# KiCad board ardumower mega shield svn.kicad_pcb (continued)
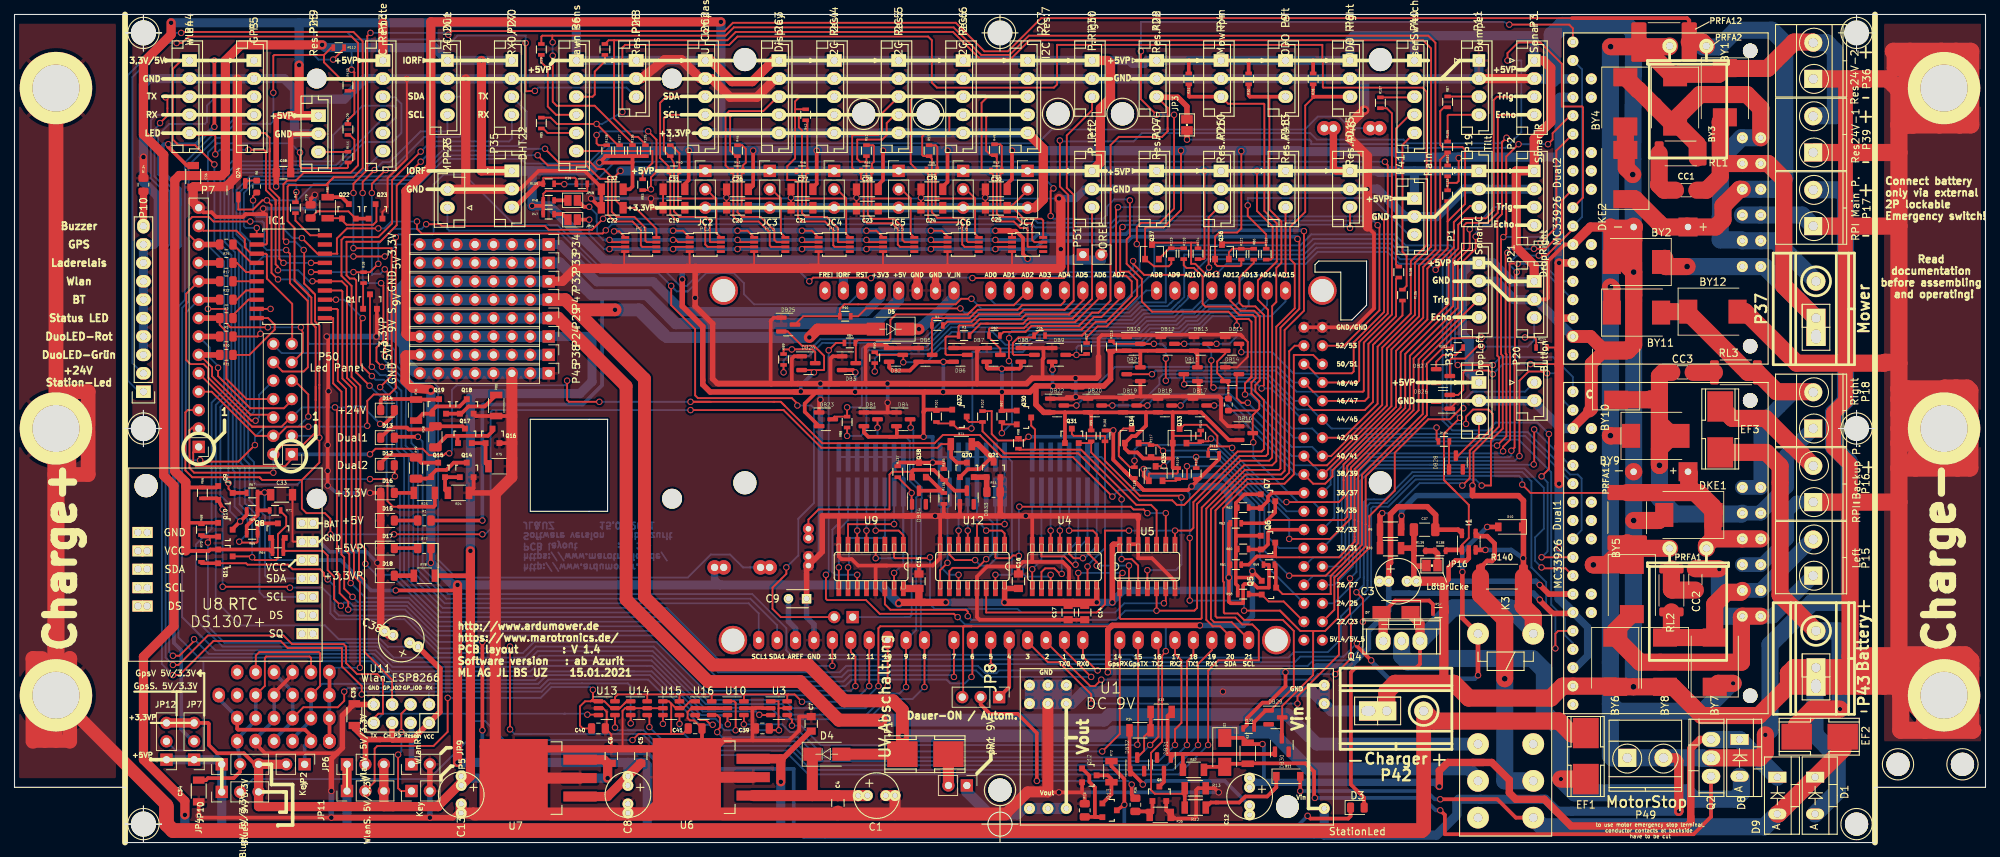
[diagram p0: board, top side]
## Footprints (pads in the part's own frame, mm; a bottom-side part is the same pattern mirrored in y, then rotated) (continued)
SolderJumper-2_P1.3mm_Open_Pad1.0x1.5mm
  rect 1x1.5 smd: 1(-0.65,0) 2(0.65,0)
SOT-23
  rect 0.8x0.8 smd: 1(-0.95,-1.001) 2(0.95,-1.001) 3(0,0.998)
SOT-23#2
  rect 0.9x0.8 smd: 1(-1,0.95) 2(-1,-0.95) 3(1,0)
SOT-23#3
  rrect 1.475x0.6 smd: 1(-0.938,0.95) 2(-0.938,-0.95) 3(0.938,0)
SOT-23-5
  rrect 1.325x0.6 smd: 1(-1.137,0.95) 2(-1.137,0) 3(-1.137,-0.95) 4(1.137,-0.95) 5(1.137,0.95)
SOT-23-6
  rrect 1.325x0.6 smd: 1(-1.137,0.95) 2(-1.137,0) 3(-1.137,-0.95) 4(1.137,-0.95) 5(1.137,0) 6(1.137,0.95)
SW_DIP_x8_SMD
  rect 0.66x4 smd: 1(-4.445,-2.413) 2(-3.175,-2.413) 3(-1.905,-2.413) 4(-0.635,-2.413) 5(0.635,-2.413) 6(1.905,-2.413) 7(3.175,-2.413) 8(4.445,-2.413) 9(4.445,2.413) 10(3.175,2.413) 11(1.905,2.413) 12(0.635,2.413) 13(-0.635,2.413) 14(-1.905,2.413) 15(-3.175,2.413) 16(-4.445,2.413)
TerminalBlock_Pheonix_MKDS1.5-2pol
  rect 2.5x2.5 hole 1.3: 1(0,0)
  round 2.5 hole 1.3: 2(5,0)
Tiny_RTC_DS1307_geändert_mit_Bohrloch_4Lochreihen
  rect 1.524x1.524 hole 1: 1(-12.7,-3.81) 1(-11.2,-3.81) 2(-12.7,-1.27) 2(-11.2,-1.27) 3(-12.7,1.27) 3(-11.2,1.27) 4(-12.7,3.81) 4(-11.2,3.81) 5(-12.7,6.35) 5(-11.2,6.35) 6(-12.7,8.89) 6(-11.2,8.89) 7(-12.7,11.43) 7(-11.2,11.43) 8(10.16,-2.54) 8(11.43,-2.54) 9(10.16,0) 9(11.43,0) 10(10.16,2.54) 10(11.43,2.54) 11(10.16,5.08) 11(11.43,5.08) 12(10.16,7.62) 12(11.43,7.62)
  round 3.2 hole 3.2: ~(10.3,-9)
TO-220
  oval 2.032x2.54 hole 1.143: 1(-2.54,0) 2(0,0) 3(2.54,0)
TO-263-3Lead
  rect 4.6x1.39 smd: 1(0,2.54) 2(0,0) 3(0,-2.54)
  rect 9.4x10.8 smd: 4(9.15,0)
TSSOP-8_3x3mm_P0.65mm
  rect 1.1x0.4 smd: 1(-2.15,0.975) 2(-2.15,0.325) 3(-2.15,-0.325) 4(-2.15,-0.975) 5(2.15,-0.975) 6(2.15,-0.325) 7(2.15,0.325) 8(2.15,0.975)
Wlan_ESP8266_3D_mit_Pin_Beschreibung_ohne_Rahmen
  oval 1.727x1.727 hole 1.016: CH_P(-1.27,-1.27) GND(-3.81,1.27) GP_0(1.27,1.27) GP_2(-1.27,1.27) Rese(1.27,-1.27) RX(3.81,1.27) TX(-3.81,-1.27)
  round 1.727 hole 1.016: VCC(3.81,-1.27)

## Nets
9Vgeschaltet: K3.3 P29.1 P29.2 P29.3 P29.4 P29.5 P29.6 P29.7 P29.8
+3.3VP: C6.1 C13.1 I2C2.5 I2C3.5 I2C4.5 I2C5.5 I2C6.5 I2C7.5 JC2.3 JC3.3 JC4.3 JC5.3 JC6.3 JC7.3 JP2.2 JP4.3 JP6.3 JP7.3 JP10.3 JP11.3 JP12.3 P24.1 P24.2 P24.3 P24.4 P24.5 P24.6 P24.7 P24.8 R78.1 U7.3
+3V3: P34.1 P34.2 P34.3 P34.4 P34.5 P34.6 P34.7 P34.8 R23.1 SHIELD1.3V3
+5V: P33.1 P33.2 P33.3 P33.4 P33.5 P33.6 P33.7 P33.8 R1.1 SHIELD1.5V
+5VP: C5.1 C7.1 C8.1 C14.1 C15.1 C16.1 C17.1 C18.1 C22.1 C33.1 I2C2.1 I2C3.1 I2C4.1 I2C5.1 I2C6.1 I2C7.1 IC1.11 JC2.1 JC3.1 JC4.1 JC5.1 JC6.1 JC7.1 JP4.1 JP6.1 JP7.1 JP10.1 JP11.1 JP12.1 P1.1 P2.1 P3.1 P4.1 P6.1 P8.1 P9.1 P12.1 P13.1 P14.1 P19.1 P21.1 P22.1 P25.1 P26.1 P28.1 P30.1 P31.1 P38.1 P38.2 P38.3 P38.4 P38.5 P38.6 P38.7 P38.8 P40.1 P41.1 P46.1 P48.1 PC1.8 R28.2 R30.2 R31.1 R43.1 R59.1 R61.1 R63.1 R65.1 R67.1 R69.1 R71.1 R77.1 R98.1 R100.1 R102.1 R116.1 R118.1 R120.1 R122.1 R124.1 SP1.2 SP2.2 U4.16 U5.14 U6.3 U7.1 U8.3 U9.16 U12.16
+9V: D4.2 D5.2 F1.2 K3.5 P47.1 P47.2 P47.3 P47.4 P47.5 P47.6 P47.7 P47.8
+24V: BY1.1 BY3.1 BY5.1 BY7.1 BY9.1 BY11.1 D14.2 P7.5 P17.2 P36.2 P39.2 P49.1 P49.2 P50.5 PRFA1.2 PRFA2.2 PRFA11.2 PRFA12.2 Q2.2 U1.3
/Anschlußstecker/5V_IN: P3.3 Q33.3 R116.2
/Anschlußstecker/5V_IN_1: P13.6 Q11.3 R71.2
/Anschlußstecker/5V_IN_2: P13.3 Q8.3 R65.2
/Anschlußstecker/5V_IN_3: P13.5 Q10.3 R69.2
/Anschlußstecker/5V_IN_4: P13.4 Q9.3 R67.2
/Anschlußstecker/5V_IN_5: P2.3 Q34.3 R118.2
/Anschlußstecker/5V_IN_6: P2.4 Q6.3 R61.2
/Anschlußstecker/5V_IN_7: P1.4 Q5.3 R59.2
/Anschlußstecker/5V_IN_8: P1.3 Q35.3 R120.2
/Anschlußstecker/5V_IN_9: P19.3 Q37.3 R124.2
/Anschlußstecker/5V_IN_10: P41.3 Q36.3 R122.2
/Anschlußstecker/5V_IN_11: P3.4 Q7.3 R63.2
GND: B12.1 B13.1 B14.1 BY2.2 BY4.2 BY6.2 BY8.2 BY10.2 BY12.2 C1.2 C2.2 C3.2 C4.2 C5.2 C6.2 C7.2 C8.2 C9.1 C10.2 C11.2 C13.2 C14.2 C15.2 C16.2 C17.2 C18.2 C19.2 C20.2 C21.2 C22.2 C23.2 C24.2 C25.2 C26.2 C27.2 C28.2 C29.2 C30.2 C31.2 C32.2 C33.2 C34.2 C35.2 C36.2 C37.2 C38.2 C39.2 C40.2 C41.2 D1.2 D15.1 D16.1 D17.1 D18.1 DB1.1 DB2.1 DB3.1 DB4.1 DB5.1 DB6.1 DB7.1 DB8.1 DB9.1 DB10.1 DB11.1 DB12.1 DB13.1 DB14.1 DB15.1 DB16.1 DB17.1 DB18.1 DB19.1 DB20.1 DB21.1 DB22.1 DB23.1 DB24.1 DB25.1 DB26.1 DB33.1 DKE1.2 DKE2.2 Dual1.2 Dual1.7 Dual1.16 Dual1.21 Dual2.2 Dual2.7 Dual2.16 Dual2.21 I1.2 I2C1.2 I2C2.2 I2C3.2 I2C4.2 I2C5.2 I2C6.2 I2C7.2 IC1.12 JP5.2 JP9.2 JP16.2 P1.2 P2.2 P3.2 P4.2 P5.2 P6.2 P7.14 P8.2 P9.2 P10.3 P10.4 P10.5 P10.6 P10.7 P10.8 P10.9 P11.1 P11.2 P12.2 P13.2 P14.2 P16.1 P17.1 P19.2 P20.2 P21.2 P22.2 P23.2 P25.2 P26.2 P27.2 P28.2 P30.2 P31.2 P32.1 P32.2 P32.3 P32.4 P32.5 P32.6 P32.7 P32.8 P35.2 P36.1 P39.1 P40.2 P41.2 P42.1 P43.1 P44.2 P45.1 P45.2 P45.3 P45.4 P45.5 P45.6 P45.7 P45.8 P46.2 P48.2 P50.14 PC1.4 PC2.4 PC3.4 PC4.4 PC5.4 PC6.4 PC7.4 Q1.2 Q3.2 Q12.2 Q14.2 Q16.2 Q18.2 Q21.2 Q23.2 Q24.2 R10.2 R11.2 R13.2 R24.2 R35.2 R57.2 R73.2 R75.2 R79.2 R80.2 R134.2 R136.2 R139.2 SHIELD1.GND1 SHIELD1.GND2 SHIELD1.GND3 SHIELD1.GND4 SHIELD1.GND5 U1.1 U1.4 U2.GND U3.2 U4.8 U4.13 U5.7 U5.12 U5.13 U6.2 U6.4 U7.2 U7.4 U8.2 U9.8 U9.13 U10.2 U10.5 U11.GND U12.8 U12.13 U13.2 U14.2 U14.5 U15.2 U16.2 U16.5
/Anschlußstecker/Ausgang1: Q32.3 R102.2 U5.3
/Anschlußstecker/Ausgang2: Q31.3 R100.2 U5.4
/Anschlußstecker/Ausgang3: Q30.3 R98.2 U5.10
/Anschlußstecker/Eingang1: P8.3 R28.1 U4.14 U5.1
/Anschlußstecker/Eingang2: P9.3 R30.1 U5.5 U9.14
/Anschlußstecker/Eingang3: P4.3 R31.2 U5.8 U12.14
/Batterieeingang 24V: C12.1 D2.1 D8.1 D9.1 Q2.3 R37.1
/Eingang: D8.2 EF1.2 Q4.2
/Motortreiber/D1_M1_IN1: BY5.2 BY6.1 CC2.1 Dual1.19 P15.1
/Motortreiber/D1_M1_IN1_1: BY9.2 BY10.1 CC3.1 Dual1.23 P18.1
/Motortreiber/D1_M1_IN2: BY7.2 BY8.1 Dual1.20 P15.2 RL2.2
/Motortreiber/D1_M1_IN2_1: BY11.2 BY12.1 Dual1.24 P18.2 RL3.2
/Motortreiber/D2_M2_IN1: BY1.2 BY2.1 CC1.1 Dual2.19 Dual2.23 P37.1
/Motortreiber/D2_M2_IN2: BY3.2 BY4.1 Dual2.20 Dual2.24 P37.2 RL1.2
/Vout-: I1.4 K3.12 R140.2
Charg_Pin_+: B9.1 B10.1 B11.1 EF1.1 P42.2
DHT22: P35.3 R39.2 R109.1
DropLeft: DB28.3 P31.3
DropRight: DB27.3 P21.3
Dual1: C10.1 D13.2 DKE1.1 Dual1.22 PRFA1.1 PRFA11.1
Dual2: C11.1 D12.2 DKE2.1 Dual2.22 PRFA2.1 PRFA12.1
DuoLED-Rot: IC1.2 SHIELD1.7
DuoLED_Grün: IC1.1 SHIELD1.6
GPS-LED: IC1.7 P5.5
GPS_RX: SHIELD1.15 U3.4
GPS_TX: SHIELD1.14 U10.4
IOREF: C3.1 C26.1 C27.1 C28.1 C29.1 C30.1 C31.1 C32.1 C37.1 DB1.2 DB2.2 DB3.2 DB4.2 DB5.2 DB6.2 DB7.2 DB8.2 DB9.2 DB10.2 DB11.2 DB12.2 DB13.2 DB14.2 DB15.2 DB16.2 DB17.2 DB18.2 DB19.2 DB20.2 DB21.2 DB22.2 DB23.2 DB24.2 DB25.2 DB26.2 Dual1.3 Dual1.6 Dual1.15 Dual2.3 Dual2.6 Dual2.15 I1.5 I2C1.1 JP8.3 P27.1 P35.1 P51.1 P51.2 PC1.1 PC2.1 PC3.1 PC4.1 PC5.1 PC6.1 PC7.1 Q5.1 Q6.1 Q7.1 Q8.1 Q9.1 Q10.1 Q11.1 Q30.1 Q31.1 Q32.1 Q33.1 Q34.1 Q35.1 Q36.1 Q37.1 Q38.3 R7.2 R39.1 R47.1 R48.1 R58.1 R60.1 R62.1 R64.1 R66.1 R68.1 R70.1 R97.1 R99.1 R101.1 R113.2 R114.2 R115.1 R117.1 R119.1 R121.1 R123.1 R125.2 R126.2 R127.2 R128.2 R129.2 R130.2 R131.2 R132.2 R133.2 R135.1 R137.2 SHIELD1.IORE U3.6 U10.6 U13.6 U14.6 U15.6 U16.6
Led-BT: IC1.4 U2.LED
Led-Status: IC1.3 SHIELD1.13
Led-Wlan: IC1.5 P44.5 U11.GP_2
no_connect_302: DB27.2
no_connect_303: DB28.2
no_connect_304: DB29.2
no_connect_305: DB30.2
no_connect_306: DB31.2
no_connect_307: DB32.2
no_connect_308: DB33.2
no_connect_309: DB34.2
no_connect_310: Dual1.1
no_connect_311: Dual1.11
no_connect_312: Dual1.12
no_connect_313: Dual2.1
no_connect_314: Dual2.11
no_connect_315: Dual2.12
no_connect_316: IC1.9
no_connect_317: K3.14
no_connect_318: PC1.5
no_connect_319: PC2.5
no_connect_320: PC3.5
no_connect_321: PC4.5
no_connect_322: PC5.5
no_connect_323: PC6.5
no_connect_324: PC7.5
no_connect_325: SHIELD1.5V_4
no_connect_326: SHIELD1.5V_5
no_connect_327: SHIELD1.FREI
no_connect_328: U12.12
no_connect_329: U12.3
no_connect_330: U4.12
no_connect_331: U4.3
no_connect_332: U8.1
no_connect_333: U9.12
no_connect_334: U9.3
pinBatteryVoltage: R12.2 R13.1 R84.1
pinBumperLeft: P11.4 R105.1
pinBumperRight: P11.3 R87.1
pinButton: DB29.1 R133.1 SHIELD1.51
pinBuzzer: IC1.8 R6.1 SHIELD1.53
pinChargeCurrent: I1.1 R90.1 R138.1
pinChargeVoltage: R9.2 R10.1 R89.1
pinChargingEnable: IC1.6 R18.1 SHIELD1.50
pinLawnBackRecv: P6.6 R83.1
pinLawnBackSend: P6.5 R85.1
pinLawnFrontRecv: P6.4 R29.1
pinLawnFrontSend: P6.3 R54.1
pinMotorEnable: Dual1.10 SHIELD1.37
pinMotorLeftDir: Dual1.4 SHIELD1.31
pinMotorLeftFault: Dual1.8 SHIELD1.25
pinMotorLeftPWM: Dual1.5 SHIELD1.5
pinMotorLeftSense: Dual1.9 SHIELD1.AD1
pinMotorMowDir: Dual2.4 Dual2.13 SHIELD1.29
pinMotorMowEnable: Dual2.10 SHIELD1.28
pinMotorMowFault: Dual2.8 Dual2.17 SHIELD1.26
pinMotorMowPWM: Dual2.5 Dual2.14 SHIELD1.2
pinMotorMowRpm_neu: Q30.2 R97.2 SHIELD1.AD11
pinMotorMowSense: Dual2.18 SHIELD1.AD3
pinMotorRightDir: Dual1.13 SHIELD1.33
pinMotorRightFault: Dual1.17 SHIELD1.27
pinMotorRightPWM: Dual1.14 SHIELD1.3
pinMotorRightSense: Dual1.18 SHIELD1.AD0
pinOdometryLeft: Q31.2 R99.2 SHIELD1.AD12
pinOdometryRight: Q32.2 R101.2 SHIELD1.AD14
pinPerimeterLeft: P12.3 R3.1
pinPerimeterRight: P30.3 R4.1
pinRain: Q36.2 R86.1 R121.2
pinRemoteMow: Q8.2 R64.2 SHIELD1.12
pinRemoteSpeed: Q10.2 R68.2 SHIELD1.10
pinRemoteSteer: Q9.2 R66.2 SHIELD1.11
pinRemoteSwitch: Q11.2 R70.2 SHIELD1.52
pinSonarCenterEcho: Q5.2 R58.2 SHIELD1.22
pinSonarCenterTrigger: Q35.2 R119.2 SHIELD1.24
pinSonarLeftEcho: Q7.2 R62.2 SHIELD1.36
pinSonarLeftTrigger: Q33.2 R115.2 SHIELD1.34
pinSonarRightEcho: Q6.2 R60.2 SHIELD1.32
pinSonarRightTrigger: Q34.2 R117.2 SHIELD1.30
pinTilt: Q37.2 R110.1 R123.2
pinUserSwitch1: P40.5 R106.1
pinUserSwitch2: P40.4 R108.1
pinUserSwitch3: P40.3 R107.1
RelaisAbschaltung: JP8.1 SHIELD1.4
ReserveAD6: JP3.1 P22.3 R82.1
ReserveAD7: P14.3 R26.1
ReserveAD10: P26.3 R88.1
ReservePin8: P28.3 R112.1
ReservePin9: P25.3 R111.1
Reset: JP13.2 P23.1 SHIELD1.RST
Resv.PinAD13: P48.3 R50.1
Resv.PinAD15: P46.3 R27.1
RX0: P27.3 SHIELD1.0
RX1: SHIELD1.19 U13.4
RX2: SHIELD1.17 U15.4
SCL: JP15.1 PC1.2 PC2.2 PC3.2 PC4.2 PC5.2 PC6.2 PC7.2 SHIELD1.21
SCL1: PC1.7 U8.5
SCL2: I2C2.4 PC2.7 R44.2
SCL3: I2C3.4 PC3.7 R45.2
SCL4: I2C4.4 PC4.7 R46.2
SCL5: I2C5.4 PC5.7 R51.2
SCL6: I2C6.4 PC6.7 R52.2
SCL7: I2C7.4 PC7.7 R49.2
SCL22: I2C1.4 SHIELD1.SCL1
SDA: JP14.1 PC1.3 PC2.3 PC3.3 PC4.3 PC5.3 PC6.3 PC7.3 SHIELD1.20
SDA1: PC1.6 U8.4
SDA2: I2C2.3 PC2.6 R40.2
SDA3: I2C3.3 PC3.6 R41.2
SDA4: I2C4.3 PC4.6 R42.2
SDA5: I2C5.3 PC5.6 R55.2
SDA6: I2C6.3 PC6.6 R56.2
SDA7: I2C7.3 PC7.6 R53.2
SDA22: I2C1.3 SHIELD1.SDA1
StationLed: D3.2 D7.1 D10.1 I1.3 K3.8 P7.4 P50.4 Q4.3 R9.1 R140.1
Taster: DB29.3 DB30.3 P7.1 P20.1 P50.1
TX0: P27.4 SHIELD1.1
TX1: SHIELD1.18 U14.4
TX2: SHIELD1.16 U16.4
Net-(B1-Pad1): B1.1
Net-(B2-Pad1): B2.1
Net-(B3-Pad1): B3.1
Net-(B4-Pad1): B4.1
Net-(B5-Pad1): B5.1
Net-(B6-Pad1): B6.1
Net-(B7-Pad1): B7.1
Net-(B8-Pad1): B8.1
Net-(B17-Pad1): B17.1
Net-(B18-Pad1): B18.1
Net-(B19-Pad1): B19.1
Net-(B20-Pad1): B20.1
Net-(B21-Pad1): B21.1
Net-(B22-Pad1): B22.1
Net-(C1-Pad1): C1.1 C4.1 D4.1 U6.1
Net-(C2-Pad1): C2.1 DB33.3 Q38.1 R135.2
Net-(C9-Pad2): C9.2 SHIELD1.AREF
Net-(C12-Pad2): C12.2 DB32.1 R34.1
Net-(C19-Pad1): C19.1 JC2.2 PC2.8 R40.1 R44.1
Net-(C20-Pad1): C20.1 JC3.2 PC3.8 R41.1 R45.1
Net-(C21-Pad1): C21.1 JC4.2 PC4.8 R42.1 R46.1
Net-(C23-Pad1): C23.1 JC5.2 PC5.8 R51.1 R55.1
Net-(C24-Pad1): C24.1 JC6.2 PC6.8 R52.1 R56.1
Net-(C25-Pad1): C25.1 JC7.2 PC7.8 R49.1 R53.1
Net-(C34-Pad1): C34.1 JP4.2 U2.VCC
Net-(C35-Pad1): C35.1 C38.1 JP6.2 P44.1 U11.CH_P U11.VCC
Net-(C36-Pad1): C36.1 JP7.2 P5.1
Net-(C39-Pad1): C39.1 JP12.2 U3.1 U3.5 U10.1
Net-(C40-Pad1): C40.1 JP11.2 U13.1 U13.5 U14.1
Net-(C41-Pad1): C41.1 JP10.2 U15.1 U15.5 U16.1
Net-(CC1-Pad2): CC1.2 RL1.1
Net-(CC2-Pad2): CC2.2 RL2.1
Net-(CC3-Pad2): CC3.2 RL3.1
Net-(D1-Pad1): D1.1 D9.2 D11.2 EF2.1 K3.16
Net-(D2-Pad2): D2.2 Q2.1 R32.2 R37.2
Net-(D3-Pad1): D3.1 Q13.3 R72.1
Net-(D5-Pad1): D5.1 SHIELD1.V_IN
Net-(D7-Pad2): D7.2 Q4.1 R57.1
Net-(D10-Pad2): D10.2 K3.9 Q1.3
Net-(D11-Pad1): D11.1 R12.1
Net-(D12-Pad1): D12.1 Q15.3 R19.1
Net-(D13-Pad1): D13.1 Q17.3 R38.1
Net-(D14-Pad1): D14.1 Q19.3 R76.1
Net-(D15-Pad2): D15.2 R1.2
Net-(D16-Pad2): D16.2 R23.2
Net-(D17-Pad2): D17.2 R77.2
Net-(D18-Pad2): D18.2 R78.2
Net-(DB1-Pad3): DB1.3 R111.2 R129.1 SHIELD1.9
Net-(DB2-Pad3): DB2.3 R50.2 SHIELD1.AD13
Net-(DB3-Pad3): DB3.3 R84.2 SHIELD1.AD2
Net-(DB4-Pad3): DB4.3 R112.2 R130.1 SHIELD1.8
Net-(DB5-Pad3): DB5.3 R4.2 SHIELD1.AD4
Net-(DB6-Pad3): DB6.3 R3.2 SHIELD1.AD5
Net-(DB7-Pad3): DB7.3 R82.2 SHIELD1.AD6
Net-(DB8-Pad3): DB8.3 R26.2 SHIELD1.AD7
Net-(DB9-Pad3): DB9.3 R27.2 SHIELD1.AD15
Net-(DB10-Pad3): DB10.3 R104.2 R113.1 SHIELD1.45
Net-(DB11-Pad3): DB11.3 R86.2 SHIELD1.44
Net-(DB12-Pad3): DB12.3 R85.2 R127.1 SHIELD1.43
Net-(DB13-Pad3): DB13.3 R83.2 R128.1 SHIELD1.42
Net-(DB14-Pad3): DB14.3 R54.2 R125.1 SHIELD1.41
Net-(DB15-Pad3): DB15.3 R109.2 SHIELD1.49
Net-(DB16-Pad3): DB16.3 R7.1 R110.2 SHIELD1.35
Net-(DB17-Pad3): DB17.3 R87.2 R132.1 SHIELD1.38
Net-(DB18-Pad3): DB18.3 R105.2 R131.1 SHIELD1.39
Net-(DB19-Pad3): DB19.3 R29.2 R126.1 SHIELD1.40
Net-(DB20-Pad3): DB20.3 R106.2 SHIELD1.46
Net-(DB21-Pad3): DB21.3 R108.2 SHIELD1.47
Net-(DB22-Pad3): DB22.3 R107.2 SHIELD1.48
Net-(DB23-Pad3): DB23.3 R88.2 SHIELD1.AD10
Net-(DB24-Pad3): DB24.3 R89.2 SHIELD1.AD9
Net-(DB25-Pad3): DB25.3 R90.2 SHIELD1.AD8
Net-(DB26-Pad3): DB26.3 R103.2 R114.1 SHIELD1.23
Net-(DB27-Pad1): DB27.1 R103.1
Net-(DB28-Pad1): DB28.1 R104.1
Net-(DB30-Pad1): DB30.1 DB31.1 R32.1 R33.2
Net-(DB31-Pad3): DB31.3 Q3.3
Net-(DB32-Pad3): DB32.3 R33.1 R34.2
Net-(DB34-Pad1): DB34.1 JP13.1 R137.1
Net-(DB34-Pad3): DB34.3 Q38.2 R136.1
Net-(Dual2-Pad9): Dual2.9 JP3.2
Net-(EF2-Pad2): EF2.2 EF3.1 P43.2
Net-(EF3-Pad2): EF3.2 P16.2
Net-(F1-Pad1): F1.1 JP1.2
Net-(IC1-Pad10): IC1.10 R43.2
Net-(IC1-Pad13): IC1.13 P7.13 P50.13
Net-(IC1-Pad14): IC1.14 R25.1
Net-(IC1-Pad15): IC1.15 R17.1
Net-(IC1-Pad16): IC1.16 R22.1
Net-(IC1-Pad17): IC1.17 R2.1
Net-(IC1-Pad18): IC1.18 R5.1
Net-(IC1-Pad19): IC1.19 R20.1
Net-(IC1-Pad20): IC1.20 R21.1
Net-(JP1-Pad1): JP1.1 U1.2
Net-(JP2-Pad1): JP2.1 U2.Key
Net-(JP5-Pad1): JP5.1 U11.GP_0
Net-(JP8-Pad2): JP8.2 R36.2
Net-(JP9-Pad1): JP9.1 U11.Rese
Net-(JP14-Pad2): JP14.2 R47.2
Net-(JP15-Pad2): JP15.2 R48.2
Net-(JP16-Pad1): JP16.1 R138.2 R139.1
Net-(K3-Pad1): K3.1
Net-(P5-Pad3): P5.3 U3.3
Net-(P5-Pad4): P5.4 U10.3
Net-(P10-Pad1): P7.2 P10.1 P50.2 Q22.3 R81.1
Net-(P10-Pad2): P7.3 P10.2 P50.3 Q20.3 R74.1
Net-(P10-Pad10): P10.10 R134.1
Net-(P44-Pad3): P44.3 U11.TX U13.3
Net-(P44-Pad4): P44.4 U11.RX U14.3
Net-(P50-Pad6): P7.6 P50.6 R21.2
Net-(P50-Pad7): P7.7 P50.7 R20.2
Net-(P50-Pad8): P7.8 P50.8 R5.2
Net-(P50-Pad9): P7.9 P50.9 R2.2
Net-(P50-Pad10): P7.10 P50.10 R22.2
Net-(P50-Pad11): P7.11 P50.11 R17.2
Net-(P50-Pad12): P7.12 P50.12 R25.2
Net-(Q1-Pad1): Q1.1 R18.2
Net-(Q3-Pad1): Q3.1 R35.1 R36.1
Net-(Q12-Pad1): Q12.1 Q13.2 R73.1
Net-(Q12-Pad3): Q12.3 Q13.1 R72.2
Net-(Q14-Pad1): Q14.1 Q15.2 R24.1
Net-(Q14-Pad3): Q14.3 Q15.1 R19.2
Net-(Q16-Pad1): Q16.1 Q17.2 R75.1
Net-(Q16-Pad3): Q16.3 Q17.1 R38.2
Net-(Q18-Pad1): Q18.1 Q19.2 R80.1
Net-(Q18-Pad3): Q18.3 Q19.1 R76.2
Net-(Q20-Pad1): Q20.1 Q21.3 R74.2
Net-(Q20-Pad2): Q20.2 Q21.1 R11.1
Net-(Q22-Pad1): Q22.1 Q23.3 R81.2
Net-(Q22-Pad2): Q22.2 Q23.1 R79.1
Net-(Q24-Pad1): Q24.1 R6.2
Net-(Q24-Pad3): Q24.3 SP1.1 SP2.1
Net-(S1-Pad1): S1.1 S1.9 S1.10 S1.11 S1.12 S1.13 S1.14 S1.15 S1.16 U4.4 U4.15
Net-(S1-Pad2): S1.2 U4.7
Net-(S1-Pad3): S1.3 U4.10
Net-(S1-Pad4): S1.4 U4.1
Net-(S1-Pad5): S1.5 U4.5
Net-(S1-Pad6): S1.6 U4.6
Net-(S1-Pad7): S1.7 U4.9
Net-(S1-Pad8): S1.8 U4.11
Net-(S2-Pad1): S2.1 S2.9 S2.10 S2.11 S2.12 S2.13 S2.14 S2.15 S2.16 U9.4 U9.15
Net-(S2-Pad2): S2.2 U9.7
Net-(S2-Pad3): S2.3 U9.10
Net-(S2-Pad4): S2.4 U9.1
Net-(S2-Pad5): S2.5 U9.5
Net-(S2-Pad6): S2.6 U9.6
Net-(S2-Pad7): S2.7 U9.9
Net-(S2-Pad8): S2.8 U9.11
Net-(S3-Pad1): S3.1 S3.9 S3.10 S3.11 S3.12 S3.13 S3.14 S3.15 S3.16 U12.4 U12.15
Net-(S3-Pad2): S3.2 U12.7
Net-(S3-Pad3): S3.3 U12.10
Net-(S3-Pad4): S3.4 U12.1
Net-(S3-Pad5): S3.5 U12.5
Net-(S3-Pad6): S3.6 U12.6
Net-(S3-Pad7): S3.7 U12.9
Net-(S3-Pad8): S3.8 U12.11
Net-(U4-Pad2): U4.2 U5.2
Net-(U5-Pad6): U5.6 U9.2
Net-(U5-Pad11): U5.11
Net-(U8-Pad6): U8.6
Net-(U8-Pad7): U8.7
Net-(U12-Pad2): U5.9 U12.2
Net-(U15-Pad3): U2.TXD U15.3
Net-(U16-Pad3): U2.RXD U16.3

Pads without a net: Dual1 25 26 27 28 29 30 31 ~; Dual2 25 26 27 28 29 30 31 ~; U1 ~; U2 BRK EN; U8 8 9 10 11 12 ~

## Via types
v1: diameter 0.889, hole 0.635, Top to Bottom, 495 vias
v2: diameter 1.3, hole 0.6, Top to Bottom, 6 vias
v3: diameter 1.6, hole 0.8, Top to Bottom, 11 vias

## Routing (per net, layer and track width the routed paths; a pad name or vN(x,y) marks a point on that pad's centre or on a via; arc(x,y) is an arc through that point)
9Vgeschaltet: length 188.2
  Top w1.778: v1(119.51,16.89) 113.66,16.89 108.33,22.23 95.66,22.23 84.33,33.55 84.33,62.99 74.93,72.39 P29.1
  Bottom w1.524: P29.8 P29.7 P29.6 P29.5 P29.4 P29.3 P29.2 P29.1
  Bottom w1.778: v1(119.51,16.89) 150.24,16.89 151,17.65 175.51,17.65 179.58,13.59 K3.3
+3.3VP: length 402.1
  Top w0.508: JP7.3 26.67,16.51 26.8,16.38 26.8,13.46 27.94,12.32 31.62,12.32 33.15,10.79 JP4.3 33.66,10.92 ; 81.8,10.94 81.79,10.92 C6.1 81.8,10.94
  Top w0.635: R78.1 62.74,36.83 62.86,36.96
  Top w1.27: P24.8 54.36,69.85 53.97,70.23 53.97,89.92 57.4,93.34 57.4,113.28 v1(97.41,113.28) ; v1(81.79,8.89) 81.79,10.92 81.28,11.43 U7.3 ; 52.2,4.95 58.42,4.95 58.42,5.08 61.21,7.87 C13.1 ; 52.2,4.95 50.93,4.95 50.93,10.79 ; 52.2,4.95 33.66,4.95 JP10.3 JP4.3 JP2.2 ; v1(62.86,40.26) 62.86,9.14 C13.1 ; C13.1 C13.1 ; I2C7.5 141.86,95.79 141.86,88.77 140.72,87.63 JC7.3 ; JP7.3 JP12.3
  Bottom w1.27: 97.54,97.95 I2C2.5 ; 97.54,97.95 97.41,98.08 v1(97.41,113.28) ; 97.54,97.95 I2C3.5 I2C4.5 I2C5.5 I2C6.5 I2C7.5 ; P24.1 79.63,69.85 79.63,63.63 77.98,61.98 63.37,61.98 62.86,61.47 v1(62.86,40.26) ; C13.1 62.61,8.89 v1(81.79,8.89) ; JC7.3 JC6.3 JC5.3 JC4.3 JC3.3 JC2.3
  Bottom w1.524: P24.8 P24.7 P24.6 P24.5 P24.4 P24.3 P24.2 P24.1
+3V3: length 155.4
  Top w0.254: v1(46.74,80.9) v1(51.05,80.9) ; v1(49.02,50.17) 51.31,50.17 51.44,50.04 51.44,47.12 52.2,46.36 52.96,46.36
  Top w0.508: R23.1 57.97,46.53 57.78,46.36 52.96,46.36
  Bottom w0.254: 55.37,82.04 P34.8 52.7,82.55 v1(51.05,80.9) ; v1(49.02,50.17) 39.75,50.17 38.99,49.4 33.4,49.4 33.02,49.78 33.02,52.51 32.23,53.31 32.23,58.64 33.02,59.44 33.02,79.63 34.29,80.9 v1(46.74,80.9) ; SHIELD1.3V3 119.38,76.07
  Bottom w1.27: 92.2,73.28 88.07,77.41 80.33,77.41 75.18,82.55 P34.1 ; 92.2,73.28 117.48,73.28 119.38,75.18 SHIELD1.3V3 ; 92.2,73.28 91.95,73.53
  Bottom w1.524: P34.8 P34.7 P34.6 P34.5 P34.4 P34.3 P34.2 P34.1
+5V: length 126.6
  Top w0.508: v1(64.52,44.45) R1.1
  Bottom w0.508: 81.03,75.63 81.03,63.12 78.36,60.45 64.64,60.45 64.52,60.33 v1(64.52,44.45)
  Bottom w1.524: 91.19,71.63 90.23,72.58 ; 91.19,71.63 87.19,75.63 79.57,75.63 75.18,80.01 P33.1 P33.2 P33.3 P33.4 P33.5 P33.6 P33.7 P33.8 ; 91.19,71.63 118.62,71.63 121.92,74.93 SHIELD1.5V
+5VP: length 1195.2
  Top w0.254: 145.92,33.15 145.53,32.75 C17.1 ; 144.65,33.15 145.05,32.75 C17.1 ; 36.08,92.22 35.94,92.08 C18.1 ; 83.9,87.6 C22.1 ; C22.1 85.6,87.63 88.51,84.72 88.51,83.53 ; C22.1 82.87,88.69 82.87,92.01 v1(83.57,92.71) ; v1(171.32,92.71) 171.32,87.19 173.48,85.03 173.48,80.71 173.24,80.47 R122.1 ; v1(164.08,92.71) 164.08,80.64 163.97,80.53 R124.1 163.27,80.53 ; v1(34.48,48.32) 34.67,48.26 ; 38.73,89.66 v1(38.86,89.79) 38.86,88.51 R43.1 ; 138.43,55.5 135.64,55.5 134.75,56.39 134.75,59.54 134.74,59.55 R102.1 ; 138.43,55.5 139.19,55.5 v1(139.83,56.01) ; 138.43,55.5 R98.1 ; C17.1 145.29,33.15 ; v1(33.4,84.84) IC1.11
  Top w0.48: 167.45,44.07 v1(167.45,36.58) 167.45,33.21 167.52,33.21 167.7,33.02 169.42,33.02 169.42,35.5 169.61,35.69 170.88,35.69 171.39,35.18 172.97,35.18 172.97,38.35 R59.1
  Top w0.508: 170.18,107.95 P9.1 179.07,107.95 179.07,106.36 ; 170.18,107.95 P4.1 161.93,107.95 161.93,106.36 ; 170.18,107.95 170.18,106.36 ; 122.6,35.07 U9.16 ; 136.57,35.07 U12.16 ; R120.1 163.33,50.18 163.45,50.29 ; 163.45,50.29 164.71,51.55 ; 163.45,50.29 v1(162.31,49.15) 161.8,48.64 155.7,48.64 155.64,48.7 ; R100.1 151.5,56.88 v1(151.51,56.9) 151.51,52.83 153.67,50.67 ; 155.64,48.7 154.43,49.91 R118.1 154.04,50.3 153.67,50.67 ; 155.64,48.7 153.04,51.31 153.67,50.67 ; 35.25,48.26 33.72,48.26 ; R71.1 R69.1 ; R69.1 33.52,45.2 32.02,43.7 R65.1 ; R69.1 R67.1 ; v1(52.58,34.8) 61.09,34.8 ; 164.71,51.55 164.08,50.93 ; 164.71,51.55 166.1,52.95 R116.1 ; C14.1 C17.1 ; v1(57.4,38.61) 57.4,40.62 R77.1 ; 35.45,48.26 35.45,48.27
  Top w0.762: v1(136.53,33.15) U12.16 ; v1(149.23,33.15) U4.16 ; U5.14 151.54,41.17 151.38,41.02 v1(151.38,33.15) ; 105.66,11.3 109.74,15.38 C7.1 ; C16.1 136.57,35.07 ; 37.85,100.33 36.07,100.33 36.08,100.31 C18.1 36.08,90.57 v1(36.08,90.56) ; U7.1 79.25,6.35
  Top w1.016: v1(149.23,33.15) v1(136.53,33.15) ; 125.48,33.15 124.71,33.15 C15.1 122.6,35.07 ; 125.48,33.15 122.05,33.15 v1(121.92,33.02) ; 125.48,33.15 v1(128.4,33.15) ; SP1.2 SP1.2 181.86,93.09 182.25,92.71 P46.1
  Top w1.27: I2C3.1 104.65,107.95 101.73,105.03 98.93,105.03 96.01,107.95 I2C2.1 ; P12.1 149.73,93.85 149.73,101.35 151.13,102.74 151.13,107.57 150.75,107.95 P30.1 ; 39.24,100.33 37.85,100.33 ; 39.24,100.33 P25.1 ; 39.24,100.33 v1(39.24,107.31) ; P38.8 53.97,67.31 53.85,67.18 53.85,63.75 54.86,62.74 57.28,62.55 v1(57.4,62.42) ; U6.3 105.66,11.56 v1(105.66,8.38) ; v1(61.09,11.05) v1(61.09,35.56) ; C5.1 84.58,9.16 C8.1 81.79,6.35 U7.1 ; v1(23.5,3.81) 23.5,5.72 17.78,11.43 17.78,25.65 21.97,29.84 21.97,49.24 20.57,50.64 20.57,94.93 17.78,97.72 17.78,107.7 21.59,111.51 v1(21.59,113.16) ; P21.1 209.55,79.69 207.07,82.17 207.07,92.71 P2.1 209.55,97.16 211.84,99.44 211.84,106.93 210.82,107.95 P3.1 ; P13.1 v1(50.8,113.16) ; JP11.1 JP6.1
  Bottom w0.254: v1(38.86,89.79) 38.86,90.81 38.73,90.93 34.92,90.93 ; v1(36.08,90.56) 36.08,90.79 35.94,90.93 34.92,90.93 ; U8.3 35.56,38.99 35.18,39.37 35.18,45.47 34.48,46.16 v1(34.48,48.32) ; 34.92,90.93 32.89,90.93 31.62,89.66 31.62,85.09 31.88,84.84 v1(33.4,84.84) ; SP2.2 95.76,37.97 ; 39.52,38.99 41.02,38.99
  Bottom w0.508: v1(151.51,56.9) 150.62,56.01 v1(139.83,56.01) ; v1(52.58,34.8) 49.15,34.8 44.96,38.99 U8.3
  Bottom w1.016: v1(128.4,33.15) v1(136.53,33.15) ; v1(149.23,33.15) v1(151.38,33.15) 151.38,33.27 152.91,34.8 167.51,34.8 167.51,36.52 v1(167.45,36.58) 167.45,48.1 166.4,49.15 v1(162.31,49.15) ; 97.28,35.56 96.53,36.31 SP2.2 SP2.2
  Bottom w1.27: 201.93,63.69 P31.1 200.59,64.84 200.59,69.22 199.64,70.17 199.64,78.68 200.98,80.01 P1.1 203.89,80.01 206.5,77.41 209.49,77.41 P21.1 ; v1(121.92,33.02) 119.38,35.56 v1(61.09,35.56) 60.45,35.56 v1(57.4,38.61) v1(57.4,62.42) ; v1(21.59,113.16) 39.24,113.16 ; 39.24,113.16 v1(50.8,113.16) 77.47,113.16 P6.1 P28.1 I2C2.1 ; 39.24,113.16 v1(39.24,107.31) ; 87.25,1.52 45.85,1.52 ; 87.25,1.52 87.25,10.67 86.87,11.05 84.58,11.05 ; 87.25,1.52 105.66,1.52 v1(105.66,8.38) ; 45.85,1.52 28.57,1.52 ; 45.85,1.52 JP11.1 ; 193.04,111.38 209.04,111.38 209.55,110.87 P3.1 ; 193.04,111.38 184.66,111.38 184.15,110.87 P8.1 P9.1 P4.1 P22.1 156.21,107.95 155.83,107.57 154.18,107.57 153.8,107.95 P30.1 I2C7.1 I2C6.1 I2C5.1 I2C4.1 I2C3.1 ; 193.04,111.38 P40.1 ; v1(23.5,3.81) 23.5,1.91 23.88,1.52 28.57,1.52 ; 28.57,1.52 JP10.1 JP4.1 27.94,11.43 JP7.1 JP12.1 ; 193.04,92.71 189.8,92.71 189.61,92.52 188.15,92.52 187.96,92.71 P46.1 P48.1 v1(171.32,92.71) P26.1 v1(164.08,92.71) P14.1 P12.1 JC7.1 JC6.1 JC5.1 JC4.1 JC3.1 JC2.1 v1(83.57,92.71) ; 193.04,92.71 P41.1 ; 193.04,92.71 P19.1 ; 84.58,11.05 C8.1 C8.1 ; 84.58,11.05 v1(61.09,11.05) ; 181.61,98.55 180.35,98.55
  Bottom w1.524: P38.8 P38.7 P38.6 P38.5 P38.4 P38.3 P38.2 P38.1
+9V: length 248.7
  Top w1.524: 122.43,11.68 F1.2 D4.2 ; v1(109.6,69.72) 110.74,70.87 D5.2
  Top w1.778: 77.34,73.53 75.95,74.93 P47.1 ; 77.34,73.53 v1(82.8,73.53) ; 77.34,73.53 86.87,64.01 86.87,33.91 96.27,24.51 109.47,24.51 114.43,19.56 121.16,19.56 122.43,18.29 v1(122.43,14.73) F1.2
  Bottom w1.524: P47.1 P47.2 P47.3 P47.4 P47.5 P47.6 P47.7 P47.8 ; 89.53,70.1 89.92,69.72 v1(109.6,69.72)
  Bottom w1.778: v1(82.8,73.53) 86.11,73.53 89.53,70.1 ; v1(122.43,14.73) 151,14.73 151.51,15.24 173.36,15.24 178.44,10.16 200.53,10.16 201.8,8.89 K3.5
+24V: length 604.8
  Top w0.254: 32.77,57.4 36.83,57.4 38.1,58.67 P50.5 37.85,58.67 ; 32.77,57.4 P7.5 ; 32.77,57.4 34.42,57.4 ; v1(44.2,60.07) 44.45,59.82 44.45,37.34 44.83,36.96 44.83,34.42 46.02,33.23 v1(46.02,32.15)
  Top w0.5: v1(50.42,57.78) 51.05,57.78 52.37,59.1 D14.2
  Top w0.508: v1(64.52,15.49) v1(64.52,27.69)
  Top w1.27: P49.2 229.11,11.68 229.49,11.3 v2(229.49,4.32)
  Top w2.358: 221.11,39.88 219.55,38.33 v3(217.71,38.33) BY5.1 223.01,40.72 PRFA11.2 223.12,40.61 PRFA1.2 ; BY9.1 220.09,56.13 v3(220.06,56.17) ; v3(220.06,76.68) 220.25,76.49 BY11.1 ; v2(241.43,14.86) 241.43,12.45 240.67,11.68 Q2.2 ; BY7.1 234.92,21.97 v2(236.98,21.97) ; P36.2 247.95,110.49 245.36,110.49 241.72,106.85 235.89,106.85 BY1.1 234.98,106.05 229.39,106.05 BY3.1 228.84,105.63 PRFA12.2 ; v3(220.09,109.86) 228.12,109.86 PRFA2.2
  Bottom w0.254: 180.34,4.95 U1.3 ; 49.53,58.67 v1(50.42,57.78) 48.01,60.2 46.86,60.2 46.74,60.07 v1(44.2,60.07) 39.62,60.07 P50.5 ; v1(46.02,32.15) 53.87,32.15 58.33,27.69 v1(64.52,27.69)
  Bottom w0.5: 111.76,0.76 108.84,0.76 107.44,2.16 107.44,6.48